# Altium PCB PCB_MAIN.PcbDoc (part 1 of 2) (continued)
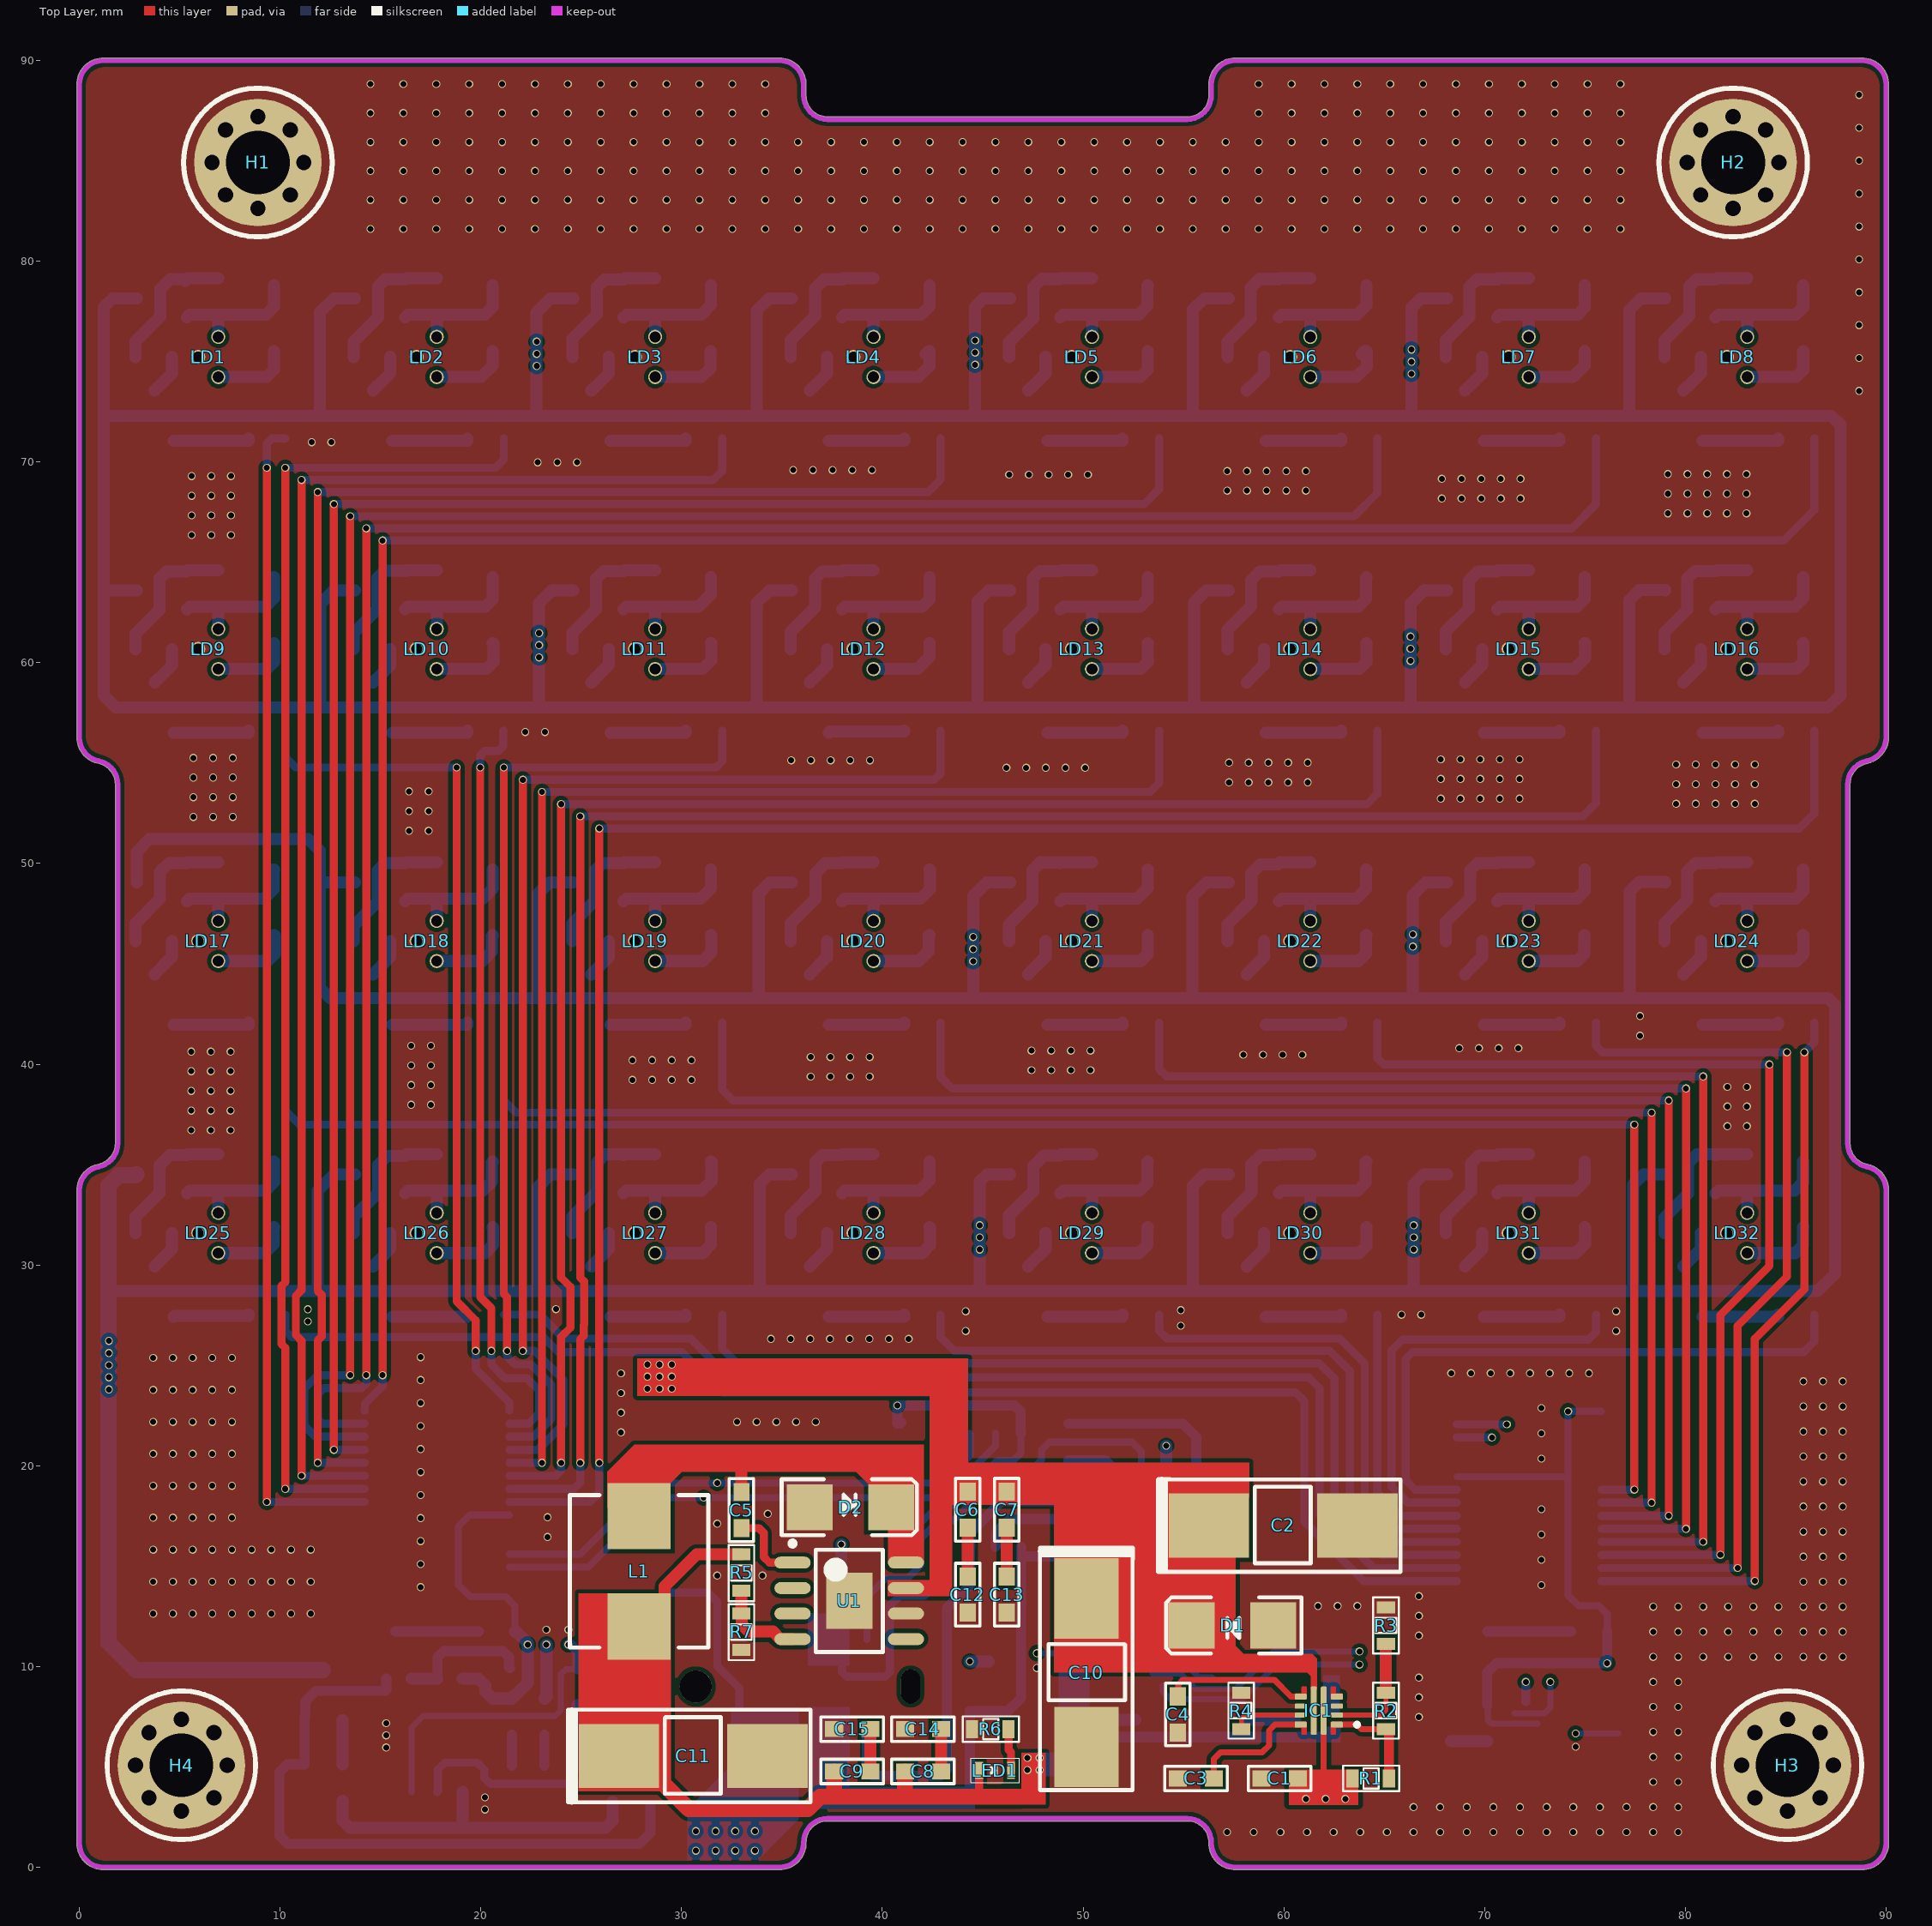
[diagram p0: Top Layer view]
## Components (designator, comment, footprint, x,y, rotation, side; value= is the part's Value field where it differs from the comment) (continued)
R36 "1K 1%" RES-SMD-0603 9.369,71.167 r180 bottom
R37 "1K 1%" RES-SMD-0603 20.25,71.167 r180 bottom
R38 "1K 1%" RES-SMD-0603 31.132,71.167 r180 bottom
R39 "1K 1%" RES-SMD-0603 42.013,71.167 r180 bottom
R40 "1K 1%" RES-SMD-0603 52.895,71.167 r180 bottom
R41 "1K 1%" RES-SMD-0603 63.776,71.167 r180 bottom
R42 "1K 1%" RES-SMD-0603 74.657,71.167 r180 bottom
R43 "1K 1%" RES-SMD-0603 85.539,71.167 r180 bottom
R44 "1K 1%" RES-SMD-0603 9.369,56.621 r180 bottom
R45 "10K 1%" RES-SMD-0603 17.8,49.139 r90 bottom
R46 "10K 1%" RES-SMD-0603 6.92,49.139 r90 bottom
R47 "10K 1%" RES-SMD-0603 83.08,63.685 r90 bottom
R48 "10K 1%" RES-SMD-0603 72.2,63.685 r90 bottom
R49 "10K 1%" RES-SMD-0603 61.32,63.685 r90 bottom
R50 "10K 1%" RES-SMD-0603 50.44,63.685 r90 bottom
R51 "10K 1%" RES-SMD-0603 39.56,63.685 r90 bottom
R52 "10K 1%" RES-SMD-0603 28.68,63.685 r90 bottom
R53 "10K 1%" RES-SMD-0603 17.8,63.685 r90 bottom
R54 "10K 1%" RES-SMD-0603 14.6,46.139 r180 bottom
R55 "10K 1%" RES-SMD-0603 3.72,46.139 r180 bottom
R56 "10K 1%" RES-SMD-0603 79.88,60.685 r180 bottom
R57 "10K 1%" RES-SMD-0603 69,60.685 r180 bottom
R58 "10K 1%" RES-SMD-0603 58.12,60.685 r180 bottom
R59 "10K 1%" RES-SMD-0603 47.24,60.685 r180 bottom
R60 "10K 1%" RES-SMD-0603 36.36,60.685 r180 bottom
R61 "10K 1%" RES-SMD-0603 25.48,60.685 r180 bottom
R62 "10K 1%" RES-SMD-0603 14.6,60.685 r180 bottom
R63 "1K 1%" RES-SMD-0603 20.25,42.074 r180 bottom
R64 "1K 1%" RES-SMD-0603 9.369,42.074 r180 bottom
R65 "1K 1%" RES-SMD-0603 85.539,56.621 r180 bottom
R66 "1K 1%" RES-SMD-0603 74.657,56.621 r180 bottom
R67 "1K 1%" RES-SMD-0603 63.776,56.621 r180 bottom
R68 "1K 1%" RES-SMD-0603 52.895,56.621 r180 bottom
R69 "1K 1%" RES-SMD-0603 42.013,56.621 r180 bottom
R70 "1K 1%" RES-SMD-0603 31.132,56.621 r180 bottom
R71 "1K 1%" RES-SMD-0603 20.25,56.621 r180 bottom
R72 "10K 1%" RES-SMD-0603 28.68,49.139 r90 bottom
R73 "10K 1%" RES-SMD-0603 39.56,49.139 r90 bottom
R74 "10K 1%" RES-SMD-0603 50.44,49.139 r90 bottom
R75 "10K 1%" RES-SMD-0603 61.32,49.139 r90 bottom
R76 "10K 1%" RES-SMD-0603 72.2,49.139 r90 bottom
R77 "10K 1%" RES-SMD-0603 83.08,49.139 r90 bottom
R78 "10K 1%" RES-SMD-0603 6.92,34.592 r90 bottom
R79 "10K 1%" RES-SMD-0603 17.8,34.592 r90 bottom
R80 "10K 1%" RES-SMD-0603 28.68,34.592 r90 bottom
R81 "10K 1%" RES-SMD-0603 25.48,46.139 r180 bottom
R82 "10K 1%" RES-SMD-0603 36.36,46.139 r180 bottom
R83 "10K 1%" RES-SMD-0603 47.24,46.139 r180 bottom
R84 "10K 1%" RES-SMD-0603 58.12,46.139 r180 bottom
R85 "10K 1%" RES-SMD-0603 69,46.139 r180 bottom
R86 "10K 1%" RES-SMD-0603 79.88,46.139 r180 bottom
R87 "10K 1%" RES-SMD-0603 3.72,31.592 r180 bottom
R88 "10K 1%" RES-SMD-0603 14.6,31.592 r180 bottom
R89 "10K 1%" RES-SMD-0603 25.48,31.592 r180 bottom
R90 "1K 1%" RES-SMD-0603 31.132,42.074 r180 bottom
R91 "1K 1%" RES-SMD-0603 42.013,42.074 r180 bottom
R92 "1K 1%" RES-SMD-0603 52.895,42.074 r180 bottom
R93 "1K 1%" RES-SMD-0603 63.776,42.074 r180 bottom
R94 "1K 1%" RES-SMD-0603 74.657,42.074 r180 bottom
R95 "1K 1%" RES-SMD-0603 85.539,42.074 r180 bottom
R96 "1K 1%" RES-SMD-0603 9.369,27.527 r180 bottom
R97 "1K 1%" RES-SMD-0603 20.25,27.527 r180 bottom
R98 "1K 1%" RES-SMD-0603 31.132,27.527 r180 bottom
R100 "10K 1%" RES-SMD-0603 83.08,34.592 r90 bottom
R101 "10K 1%" RES-SMD-0603 72.2,34.592 r90 bottom
R102 "10K 1%" RES-SMD-0603 61.32,34.592 r90 bottom
R103 "10K 1%" RES-SMD-0603 50.44,34.592 r90 bottom
R104 "10K 1%" RES-SMD-0603 39.56,34.592 r90 bottom
R106 "10K 1%" RES-SMD-0603 79.88,31.592 r180 bottom
R107 "10K 1%" RES-SMD-0603 69,31.592 r180 bottom
R108 "10K 1%" RES-SMD-0603 58.12,31.592 r180 bottom
R109 "10K 1%" RES-SMD-0603 47.24,31.592 r180 bottom
R110 "10K 1%" RES-SMD-0603 36.36,31.592 r180 bottom
R112 "1K 1%" RES-SMD-0603 85.539,27.527 r180 bottom
R113 "1K 1%" RES-SMD-0603 74.657,27.527 r180 bottom
R114 "1K 1%" RES-SMD-0603 63.776,27.527 r180 bottom
R115 "1K 1%" RES-SMD-0603 52.895,27.527 r180 bottom
R116 "1K 1%" RES-SMD-0603 42.013,27.527 r180 bottom
TVS1 "S2312" SOT23-123 27.5,9 r180 bottom
TVS2 "S2305" SOT23-123 45.3,9 r180 bottom
TVS3 "S2305" SOT23-123 52.89,18.814 r90 bottom
U1 "TPS5430DDAR" HSOP8 38.35,13.268 r0 top
U2 "MCP47CVB22-E/UN" MSOP10 51.8,10.16 r0 bottom
U3 "ADS1015BQDGSRQ1" TSSOP10 74.08,7.16 r180 bottom
U4 "MCP23017T-E/SS" SSOP28 17.818,18.52 r180 bottom
U5 "MCP23017T-E/SS" SSOP28 72.218,18.483 r0 bottom

## Footprints (in the part's own frame and the unit in brackets; to place one, negate y for a bottom-side part, rotate by r counter-clockwise, add the part's x,y. Pads: shape width x height; smd on the part's side, far side on the other; paste and mask are expansions set on the pad)
DIO-SMD-A [mil]
  rect 90x90.55 smd: 1(75,5) 2(-85,5)
  silkscreen extent -135,-50 130,60, body extent -104,-45 101,57, height 95
HSOP8 [mm] "SOIC, 8-Leads, Body 4.9x3.9mm, Pitch 1.27mm, IPC High Density"
  oval 1.8x0.6 smd: 1(-2.825,1.905) 2(-2.825,0.635) 3(-2.825,-0.635) 4(-2.825,-1.905) 5(2.825,-1.905) 6(2.825,-0.635) 7(2.825,0.635) 8(2.825,1.905)
  rect 2.3x2.8 smd: 9(0,0)
  silkscreen extent -2.95,-2.55 1.68,2.98, body extent -2.99,-2.45 3,2.45, height 1.6
LASER [mm]
  round 0.7 hole 0.55 mask+0.102: 1(0,-1) 3(0,1)
  round 0.7 hole 0.55: 2(-1,0)
  body extent -2.76,-2.78 2.8,2.77, height 3.7
M3 [mil]
  round 60 hole 30: 1(-90,0) 1(-63.64,-63.64) 1(-63.64,63.64) 1(0,-90) 1(0,90) 1(63.64,-63.64) 1(63.64,63.64) 1(90,0)
  round 250 hole 125.2: 1(0,0)
  silkscreen extent -146,-146 146,146
M55-6001242R [mm]
  rrect50% 0.8x2.6 smd: 1(-3.175,2.335) 2(-1.905,2.335) 3(-0.635,2.335) 4(0.635,2.335) 5(1.905,2.335) 6(3.175,2.335) 7(3.175,-2.335) 8(1.905,-2.335) 9(0.635,-2.335) 10(-0.635,-2.335) 11(-1.905,-2.335) 12(-3.175,-2.335)
  rrect50% 1.2x2.5 smd: ""(-5.67,-2.6) ""(-5.67,2.6) ""(5.67,-2.6) ""(5.67,2.6)
  oval 0.95x1.7 hole 0.95 slot 1.7 at 90 deg unplated mask+0.102: ""(-5.35,0)
  round 1.6 hole 1.6 unplated: ""(5.35,0)
  silkscreen extent -6.59,-4.05 6.61,4.05, body extent -6.35,-3.6 6.35,3.6, height 6.2
MSOP10 [mil]
  rect 55x11 smd: 1(-86,39.4) 2(-86,19.7) 3(-86,0) 4(-86,-19.7) 5(-86,-39.4) 6(86,-39.4) 7(86,-19.7) 8(86,0) 9(86,19.7) 10(86,39.4)
  silkscreen extent -66,-66 66,66, body extent -96,-59 96,59, height 43
REDLED_0603 [mm]
  rect 0.4x0.85 smd: 1(-0.8,0) 2(0.8,0)
  silkscreen extent -1.21,-0.6 1.21,0.61, body extent -0.8,-0.4 0.8,0.4, height 0.8
RES-SMD-0603 [mm]
  rect 0.6x0.9 smd: 1(-0.889,0) 2(0.927,0)
  silkscreen extent -1.4,-0.64 1.4,0.64, body extent -0.8,-0.4 0.8,0.4, height 0.43
SM-0603 [mm]
  rect 0.9x0.8 smd: 1(-0.9,0) 2(0.9,0)
  silkscreen extent -1.56,-0.61 1.56,0.61, body extent -0.81,-0.4 0.79,0.4, height 0.5
SO8 [mm] "SOIC, 8-Leads, Body 4.9x3.9mm, Pitch 1.27mm, IPC High Density"
  oval 1.8x0.6 smd: 1(-2.825,1.905) 2(-2.825,0.635) 3(-2.825,-0.635) 4(-2.825,-1.905) 5(2.825,-1.905) 6(2.825,-0.635) 7(2.825,0.635) 8(2.825,1.905)
  silkscreen extent -2.95,-2.55 1.68,2.98, body extent -2.99,-2.45 3,2.45, height 1.6
SOD23 [mm]
  rect 0.91x1.22 smd: 1(0.016,0) 2(3.286,0)
  silkscreen extent -0.76,-1.02 4.06,1.02, body extent -0.22,-0.85 3.53,0.85, height 1.2
SOT23-123 [mm] "SOT23, 1=bottom-left, 2=top, 3=bottom-right"
  rect 0.9x0.95 smd: 1(-0.95,-1.25) 2(0,1.25)
  rect 0.9x0.95 smd mask+0: 3(0.95,-1.25)
  silkscreen extent -1.3,-0.38 1.3,1.25, body extent -1.52,-1.23 1.48,1.27, height 1.06
SOT23-132 [mm]
  rect 0.9x0.95 smd: 1(-0.95,-1.25) 3(0,1.25)
  rect 0.9x0.95 smd mask+0: 2(0.95,-1.25)
  silkscreen extent -1.3,-0.38 1.3,1.25, body extent -1.52,-1.23 1.48,1.27, height 1.06
SRP7050TA [mm] "Precision Wire Wound Inductor, 2-Leads, Body 7.30x6.60mm, IPC Medium Density"
  rect 3.3x3.15 smd: 1(-2.75,0) 2(2.75,0)
  silkscreen extent -3.8,-3.45 3.8,3.45, body extent -3.6,-3.3 3.6,3.3, height 4.91
SSOP28 [mm]
  oval 1.85x0.38 smd: 1(-3.6,4.225) 2(-3.6,3.575) 3(-3.6,2.925) 4(-3.6,2.275) 5(-3.6,1.625) 6(-3.6,0.975) 7(-3.6,0.325) 8(-3.6,-0.325) 9(-3.6,-0.975) 10(-3.6,-1.625) 11(-3.6,-2.275) 12(-3.6,-2.925) 13(-3.6,-3.575) 14(-3.6,-4.225) 15(3.6,-4.225) 16(3.6,-3.575) 17(3.6,-2.925) 18(3.6,-2.275) 19(3.6,-1.625) 20(3.6,-0.975) 21(3.6,-0.325) 22(3.6,0.325) 23(3.6,0.975) 24(3.6,1.625) 25(3.6,2.275) 26(3.6,2.925) 27(3.6,3.575) 28(3.6,4.225)
  silkscreen extent -2.73,-5.16 2.73,5.13, body extent -3.88,-5.17 3.88,5.17, height 2.15
TPS259470 [mm]
  rrect37% 0.6x0.3 smd paste-1 mask+0: 1(-0.9,0.7) 4(-0.9,-0.7) 7(0.9,-0.7) 10(0.9,0.7)
  rrect37% 0.6x0.25 smd mask+0: 2(-0.9,0.225) 3(-0.9,-0.225) 8(0.9,-0.225) 9(0.9,0.225)
  rrect37% 0.3x2.4 smd paste-2 mask+0: 5(-0.25,0) 6(0.25,0)
  Top Layer region: 157 vertices and 0 holes, not listed, extent -1.2,-1.2 -0.6,-0.55
  Top Layer region: 157 vertices and 0 holes, not listed, extent -1.2,0.55 -0.6,1.2
  Top Layer region: 157 vertices and 0 holes, not listed, extent 0.6,0.55 1.2,1.2
  Top Layer region: 157 vertices and 0 holes, not listed, extent 0.6,-1.2 1.2,-0.55
  silkscreen extent -2,0.6 -1.8,0.8, body extent -1,-1 1,1, height 1
TSSOP8 [mm] "TSSOP, 8-Leads, Body 3.00x4.40mm, Pitch 0.65mm, IPC Medium Density"
  oval 1.45x0.35 smd: 1(-2.925,0.975) 2(-2.925,0.325) 3(-2.925,-0.325) 4(-2.925,-0.975) 5(2.925,-0.975) 6(2.925,-0.325) 7(2.925,0.325) 8(2.925,0.975)
  silkscreen extent -3.05,-1.5 1.8,1.87, body extent -3.2,-1.55 3.2,1.55, height 1.2
TSSOP10 [mm] "TSSOP, 10-Leads, Body 3x3mm, Pitch 0.5mm, IPC High Density"
  oval 1.45x0.25 smd: 1(-2.025,1) 2(-2.025,0.5) 3(-2.025,0) 4(-2.025,-0.5) 5(-2.025,-1) 6(2.025,-1) 7(2.025,-0.5) 8(2.025,0) 9(2.025,0.5) 10(2.025,1)
  silkscreen extent -2.15,-1.6 0.9,1.8, body extent -2.48,-1.55 2.48,1.55, height 1.1
"tu tantalum smd7343" [mm]
  rect 4x3.2 smd: 1(-3.7,0) 2(3.7,0)
  silkscreen extent -6.23,-2.31 5.85,2.31, body extent -3.75,-2.33 3.85,2.27, height 3.99

## Part data
C1 C3 C4 C5 C6 C7 C8 C9 C12 C13 C14 C15 C17 C19 C20 C21 C22 C23 C24 C25 C26 C27 C33 C34 C35 C36 C37 C38 C39: library part CM, "0603"
C2 C10: library part "Tu tantalum 100uF 25V SMD7343", "TAJD107K020RNJ", Chung_Loai=Dán, Don_Vi=Con, Ma_Hang=MH002347, So_Chan=2, Ten_Linh_Kien="Tụ tantalum 107E-100uF 25V SMD7343"
C11: library part "Tu tantalum 100uF 25V SMD7343", "TAJD477K006RNJ", Chung_Loai=Dán, Don_Vi=Con, Ma_Hang=MH002347, So_Chan=2, Ten_Linh_Kien="Tụ tantalum 107E-100uF 25V SMD7343"
C28: "WR-PHD 2.54 mm Dual Socket Header", Manufacturer="W¨¹rth Elektronik eiSos GmbH", partNo=61301221821, ComponentLink1 Description=Manufacturer, ComponentLink1URL=http://www.we-online.com, ComponentLink2 Description=Datasheet, ComponentLink2URL=http://katalog.we-online.de/em/datasheet/6130xx21821.pdf, Created by="Karrer Zheng", Created Date="29 March 2013", NoPins=12
D1 D2: library part "Diode SMD", "DIODE SCHOTTKY 40V 5A SMA", Code - JEDEC=DO-214-AB, Published=8-Jun-2000, Publisher="Altium Limited", Revision="July-2002: Re-released for DXP Platform."
DIO1 DIO2 DIO3 DIO4 DIO5 DIO6 DIO7 DIO8 DIO9 DIO10 DIO11 DIO12 DIO13 DIO14 DIO15 DIO16 DIO17 DIO18 DIO19 DIO20 DIO21 DIO22 DIO23 DIO24 DIO25 DIO26 DIO27 DIO28 DIO29 DIO30 DIO31 DIO32: "Default Diode", Code - JEDEC=DO-214-AB, Published=8-Jun-2000, Publisher="Altium Limited", Revision="July-2002: Re-released for DXP Platform."
IC1: library part TPS259470, "P/N: TPS259470LRPWR"
IC2: library part PCA9536
IC3: library part ADUM1250
IC4: library part LM358, "8SOIC"
L1: library part INDUCTOR, "SRP7050TA-150M"
LD1 LD2 LD3 LD4 LD5 LD6 LD7 LD8 LD9 LD10 LD11 LD12 LD13 LD14 LD15 LD16 LD17 LD18 LD19 LD20 LD21 LD22 LD23 LD24 LD25 LD26 LD27 LD28 LD29 LD30 LD31 LD32: library part LD
LED1: library part "LED SMD"
Q1: library part FET-N
Q2 Q3 Q4 Q5 Q6 Q7 Q8 Q9 Q10 Q20 Q21 Q22 Q23 Q24 Q25 Q26 Q27 Q28 Q38 Q39 Q40 Q41 Q42 Q43 Q44 Q45 Q46 Q57 Q58 Q59 Q60 Q61: library part FET-P
Q11 Q12 Q13 Q14 Q15 Q16 Q17 Q18 Q19 Q29 Q30 Q31 Q32 Q33 Q34 Q35 Q36 Q37 Q47 Q48 Q49 Q50 Q51 Q52 Q53 Q54 Q55 Q63 Q64 Q65 Q66 Q67: library part 2SC1815, "SOT23-3"
R1 R2 R3 R4 R5 R6 R8 R9 R10 R11 R14 R15 R16 R17 R18 R19 R20 R21 R22 R23 R24 R25 R26 R27 R28 R29 R30 R31 R32 R33 R34 R35 R36 R37 R38 R39 R40 R41 R42 R43 R44 R45 R46 R47 R48 R49 R50 R51 R52 R53 R54 R55 R56 R57 R58 R59 R60 R61 R62 R63 R64 R65 R66 R67 R68 R69 R70 R71 R72 R73 R74 R75 R76 R77 R78 R79 R80 R81 R82 R83 R84 R85 R86 R87 R88 R89 R90 R91 R92 R93 R94 R95 R96 R97 R98 R100 R101 R102 R103 R104 R106 R107 R108 R109 R110 R112 R113 R114 R115 R116: library part Res-SMD, "0603", Manufacturer="Generic Components", Class=Passive, Published=08/06/2000, Publisher="Altium Hobart Technology Centre"
R7: library part Res-SMD, "ERA-3AEB3241V", Manufacturer="Generic Components", Class=Passive, Published=08/06/2000, Publisher="Altium Hobart Technology Centre"
TVS1: library part S2315, "TVS DIODE 12VWM 19VC SOT23, P/N:  S2312"
TVS2 TVS3: library part S2303, "TVS DIODE 5VWM 10.8VC SOT23, P/N:   / S2305"
U1: library part TPS543X, "8SOP"
U2: library part MCP47CVB22
U3: library part ADS1015
U4 U5: library part MCP23017

## Via types
v1: diameter 0.4, hole 0.3, Top Layer to Bottom Layer, tented both sides, 743 vias
v2: diameter 0.4, hole 0.3, Top Layer to Bottom Layer, 18 vias

## Nets (pads, with @x,y where several pads share a name; then routed paths per layer and width w, separated by ;. In a path a pad name is that pad's centre, name@x,y a point inside that pad or via, vN(x,y) a via of type N, cw(c..) or ccw(c..) an arc to the next point about the centre after c; other vN are vias at no path point)
+5: C8.1 C9.1 C11.1 C17.2 C20.2 C22.2 C24.2 C25.2 C33.2 IC2.8 IC3.8 IC4.8 L1.2 LED1.1 R5.2 R10.2 R11.2 U2.1 U2.2 U2.3 U3.8 U4.9 U5.9 U5.15 | length 196.1
  Top Layer w0.4: 44.65,3.51 44.812,3.672 LED1.1@44.812,4.821
  Top Layer w0.6: L1.2@27.88,11.988 27.88,12.258 29.155,13.533 29.155,13.985 30.749,15.579 R5.2@32.98,15.579
  Top Layer w0.8: C11.1@26.88,5.54 28.03,4.39 28.86,4.39 30.36,2.89 36.27,2.89 36.89,3.51 37.48,3.51 ; C9.1@37.6,4.77 37.6,3.63 37.48,3.51 ; C8.1@41.126,4.77 41.126,3.544 41.16,3.51 ; 46.91,3.51 44.65,3.51 41.16,3.51 ; 37.48,3.51 41.16,3.51
  Layer 2 w0.6: 22.33,5.31 22.33,12.55 23.09,13.31 39.5,13.31 40.75,14.56 v1(40.75,23) ; 22.62,5.44 v1(47.23,5.44) ; v1(76.106,10.16) 76.106,5.636 75.305,4.835 v1(47.835,4.835) ; v1(47.23,5.44) v1(47.835,4.835) ; v1(47.23,5.44) v1(47.835,5.44) v1(47.835,4.835) ; v1(47.23,5.44) v1(47.23,4.835) v1(47.835,4.835)
  Bottom Layer w0.3: C22.2@70.13,8.073 70.152,8.051 70.152,7.348 70.34,7.16 U3.8@72.63,7.16
  Bottom Layer w0.35: U4.9@21.418,17.545 19.455,17.545 18.88,16.97 18.88,14.07 19.48,13.47 21.24,13.47 21.7,13.01 21.7,11.746 C24.2@21.706,11.74 ; R10.2@40.901,15.584 40.801,15.484 R10.2@40.75,15.484 40.75,15.98 42.59,17.82 43.28,17.82 45.72,20.26 46.54,20.26 46.905,20.625 IC3.8@46.905,21.615 ; U5.9@68.618,19.458 74.16,19.458 ; U5.15@75.818,22.708 v1(74.16,22.708) 74.16,19.458 ; C25.2@76.106,11.74 76.106,12.614 75.7,13.02 74.68,13.02 74.16,13.54 74.16,19.458
  Bottom Layer w0.4: IC3.8@46.867,21.577 IC3.8@46.905,21.615
  Bottom Layer w0.5: R11.2@40.95,22.146 40.9,22.096 R11.2@40.75,22.096 v1(40.75,23) 46.593,23 46.886,22.707 46.886,21.634 IC3.8@46.905,21.615 ; C22.2@70.13,8.073 70.13,9.7 70.59,10.16 v1(76.106,10.16) C25.2@76.106,11.74
  Bottom Layer w0.6: IC4.8@19.095,9.395 19.879,9.395 20.23,9.044 20.23,8.751 20.581,8.4 C33.2@21.55,8.4 ; C33.2@21.55,8.4 21.55,8.45 21.65,8.55 21.7,8.55 22.33,9.18 22.33,11.166 21.75,11.746 C24.2@21.7,11.746 ; C24.2@21.706,11.74 C24.2@21.735,11.711
  other v2: 22.33,11.09
+12: C2.1 C6.1 C7.1 C10.1 D1.2 DIO1.2 DIO2.2 DIO3.2 DIO4.2 DIO5.2 DIO6.2 DIO7.2 DIO8.2 DIO9.2 DIO10.2 DIO11.2 DIO12.2 DIO13.2 DIO14.2 DIO15.2 DIO16.2 DIO17.2 DIO18.2 DIO19.2 DIO20.2 DIO21.2 DIO22.2 DIO23.2 DIO24.2 DIO25.2 DIO26.2 DIO27.2 DIO28.2 DIO29.2 DIO30.2 DIO31.2 DIO32.2 IC1.6 LD1.1 LD2.1 LD3.1 LD4.1 LD5.1 LD6.1 LD7.1 LD8.1 LD9.1 LD10.1 LD11.1 LD12.1 LD13.1 LD14.1 LD15.1 LD16.1 LD17.1 LD18.1 LD19.1 LD20.1 LD21.1 LD22.1 LD23.1 LD24.1 LD25.1 LD26.1 LD27.1 LD28.1 LD29.1 LD30.1 LD31.1 LD32.1 U1.7 | length 462.9
  Layer 2 w0.8: LD25.1@6.92,30.592 8.112,29.4 17.82,29.4 ; LD17.1@6.92,45.139 8.319,43.74 17.86,43.74 ; LD9.1@6.92,59.685 8.175,58.43 17.82,58.43 ; LD1.1@6.92,74.232 8.112,73.04 17.78,73.04 ; LD26.1@17.8,30.592 17.8,29.42 17.82,29.4 ; LD18.1@17.8,45.139 17.8,43.8 17.86,43.74 ; LD10.1@17.8,59.685 17.8,58.45 17.82,58.43 ; LD2.1@17.8,74.232 17.8,73.06 17.78,73.04 ; LD27.1@28.68,30.592 28.68,29.4 ; LD19.1@28.68,45.139 28.68,43.78 28.64,43.74 ; LD11.1@28.68,59.685 28.68,58.45 28.66,58.43 ; LD3.1@28.68,74.232 28.68,73.04 ; LD28.1@39.56,30.592 39.56,29.42 39.54,29.4 ; LD20.1@39.56,45.139 39.56,43.79 39.61,43.74 ; LD12.1@39.56,59.685 39.56,58.57 39.42,58.43 ; LD4.1@39.56,74.232 39.56,73.04 ; LD29.1@50.44,30.592 50.44,29.42 50.46,29.4 ; LD21.1@50.44,45.139 50.44,43.78 50.4,43.74 ; LD13.1@50.44,59.685 50.44,58.43 ; LD5.1@50.44,74.232 50.421,74.213 50.421,73.091 50.37,73.04 ; LD30.1@61.32,30.592 61.32,29.4 ; LD22.1@61.32,45.139 61.32,43.78 61.28,43.74 ; LD14.1@61.32,59.685 61.32,58.52 61.23,58.43 ; LD6.1@61.32,74.232 61.301,74.213 61.301,73.051 61.29,73.04 ; LD31.1@72.2,30.592 72.2,29.4 ; LD23.1@72.2,45.139 72.2,43.76 72.22,43.74 ; LD15.1@72.2,59.685 72.2,58.45 72.18,58.43 ; LD7.1@72.2,74.232 72.2,73.04 ; LD32.1@83.08,30.592 81.888,29.4 72.2,29.4 ; LD24.1@83.08,45.139 81.681,43.74 72.22,43.74 ; LD16.1@83.08,59.685 81.825,58.43 72.18,58.43 ; LD8.1@83.08,74.232 81.888,73.04 72.2,73.04 ; 17.78,73.04 28.68,73.04 ; 17.82,29.4 28.68,29.4 ; 17.82,58.43 28.66,58.43 ; 17.86,43.74 28.64,43.74 ; 28.64,43.74 39.61,43.74 ; 28.66,58.43 39.42,58.43 ; 28.68,29.4 39.54,29.4 ; 28.68,73.04 39.56,73.04 ; 39.42,58.43 50.44,58.43 ; 39.54,29.4 50.46,29.4 ; 39.56,73.04 50.37,73.04 ; 39.61,43.74 50.4,43.74 ; 50.37,73.04 61.29,73.04 ; 50.4,43.74 61.28,43.74 ; 50.44,58.43 61.23,58.43 ; 50.46,29.4 61.32,29.4 ; 61.23,58.43 72.18,58.43 ; 61.28,43.74 72.22,43.74 ; 61.29,73.04 72.2,73.04 ; 61.32,29.4 72.2,29.4
  Bottom Layer w0.6: LD25.1@6.92,30.592 9.232,30.592 9.67,31.03 9.67,31.861 DIO25.2@9.7,31.891 ; LD17.1@6.92,45.139 9.369,45.139 9.73,45.5 9.73,46.408 DIO11.2@9.7,46.438 ; LD9.1@6.92,59.685 9.349,59.685 9.7,60.037 DIO9.2@9.7,60.984 ; LD1.1@6.92,74.232 9.331,74.232 9.7,74.601 DIO1.2@9.7,75.531 ; LD26.1@17.8,30.592 20.202,30.592 20.61,31 20.61,31.862 DIO26.2@20.581,31.891 ; LD18.1@17.8,45.139 20.069,45.139 20.54,45.61 20.54,46.396 DIO10.2@20.581,46.438 ; LD10.1@17.8,59.685 20.269,59.685 20.62,60.037 20.62,60.946 DIO18.2@20.581,60.984 ; LD2.1@17.8,74.232 20.012,74.232 20.58,74.8 20.58,75.529 DIO2.2@20.581,75.531 ; LD27.1@28.68,30.592 31.052,30.592 31.463,31.003 DIO27.2@31.463,31.891 ; LD19.1@28.68,45.139 31.059,45.139 31.47,45.55 31.47,46.43 DIO19.2@31.463,46.438 ; LD11.1@28.68,59.685 31.045,59.685 31.48,60.12 31.48,60.967 DIO17.2@31.463,60.984 ; LD3.1@28.68,74.232 30.992,74.232 31.43,74.67 31.43,75.498 DIO3.2@31.463,75.531 ; LD28.1@39.56,30.592 41.982,30.592 42.37,30.98 42.37,31.865 DIO32.2@42.344,31.891 ; LD20.1@39.56,45.139 41.819,45.139 42.31,45.63 42.31,46.403 DIO20.2@42.344,46.438 ; LD12.1@39.56,59.685 41.744,59.685 42.36,60.301 42.36,60.969 DIO16.2@42.344,60.984 ; LD4.1@39.56,74.232 41.802,74.232 42.344,74.774 DIO4.2@42.344,75.531 42.309,75.531 DIO4.2@42.154,75.376 ; LD29.1@50.44,30.592 52.792,30.592 53.2,31 53.2,31.865 DIO31.2@53.226,31.891 ; LD21.1@50.44,45.139 52.869,45.139 53.23,45.5 53.23,46.433 DIO21.2@53.226,46.438 ; LD13.1@50.44,59.685 52.874,59.685 53.226,60.037 DIO15.2@53.226,60.984 ; LD5.1@50.44,74.232 52.852,74.232 53.23,74.61 53.23,75.527 DIO5.2@53.226,75.531 ; LD30.1@61.32,30.592 63.756,30.592 64.107,30.944 DIO30.2@64.107,31.891 ; LD22.1@61.32,45.139 63.719,45.139 64.1,45.52 64.1,46.43 DIO22.2@64.107,46.438 ; LD14.1@61.32,59.685 63.765,59.685 64.12,60.04 64.12,60.971 DIO14.2@64.107,60.984 ; LD6.1@61.32,74.232 63.602,74.232 64.13,74.76 64.13,75.508 DIO6.2@64.107,75.531 64.035,75.531 DIO6.2@63.88,75.376 ; LD31.1@72.2,30.592 74.542,30.592 75.01,31.06 75.01,31.869 DIO29.2@74.989,31.891 ; LD23.1@72.2,45.139 74.619,45.139 74.97,45.49 74.97,46.419 DIO23.2@74.989,46.438 ; LD15.1@72.2,59.685 74.465,59.685 75,60.22 75,60.973 DIO13.2@74.989,60.984 ; LD7.1@72.2,74.232 74.399,74.232 74.989,74.821 DIO7.2@74.989,75.531 ; LD32.1@83.08,30.592 85.472,30.592 85.86,30.98 85.86,31.881 DIO28.2@85.87,31.891 ; LD24.1@83.08,45.139 85.539,45.139 85.89,45.49 85.89,46.418 DIO24.2@85.87,46.438 ; LD16.1@83.08,59.685 85.529,59.685 85.88,60.037 85.88,60.974 DIO12.2@85.87,60.984 ; LD8.1@83.08,74.232 85.512,74.232 85.87,74.59 DIO8.2@85.87,75.531
  other v1: 28.295,23.83 28.9,23.83 29.505,23.83 28.295,24.435 28.9,24.435 29.505,24.435 28.295,25.04 28.9,25.04 29.505,25.04
+12_AUX: C1.2 C28.7 C28.8 C28.9 IC1.5 R1.2 TVS1.1 TVS1.3 | length 24.1
  Top Layer w0.3: IC1.5@61.99,7.8 61.99,4.485 62.055,4.42
  Top Layer w0.5: C1.2@60.69,4.419 62.055,4.42 R1.2@63.421,4.42
  Bottom Layer w0.4: TVS1.3@26.55,7.75 TVS1.1@28.45,7.75 28.45,12.95 29.17,13.67 31.33,13.67 31.78,13.22 31.78,10.009 32.879,8.91 C28.7@32.879,6.665
  other v1: 30.71,0.82 31.69,0.82 32.67,0.82 33.65,0.82 30.71,1.8 31.69,1.8 32.67,1.8 33.65,1.8 61.1,3.4 62.08,3.4 63.06,3.4
CURRENT_MONITOR: C38.2 R16.2 U3.4 | length 60
  Layer 2 w0.6: v2(23.266,11.09) 23.266,7.614 24.181,6.699 v2@74.501,6.699
  Bottom Layer w0.3: v2(74.54,6.66) U3.4@76.105,6.66 U3.4@76.68,6.66
  Bottom Layer w0.6: C38.2@23.166,8.4 23.266,8.5 R16.2@23.266,9.92 v2(23.266,11.09)
DAC: C34.2 IC4.3 U2.4 | length 41.2
  Layer 2 w0.5: v2(24.36,11.09) 47.27,11.09 v2(47.7,10.66)
  Bottom Layer w0.3: IC4.3@16.555,3.745 16.555,6.955 17.13,7.53 23.7,7.53 23.99,7.82 23.99,9.62 24.24,9.87 24.793,9.87 C34.2@24.805,9.882 ; v2(47.7,10.66) U2.4@49.616,10.66 U2.4@50.17,10.66
  Bottom Layer w0.5: v2(24.36,11.09) 24.477,11.09 24.805,10.762 24.805,9.882 C34.2@24.82,9.867
GND_AUX: C1.1 C2.2 C3.1 C4.1 C10.2 C11.2 C12.2 C13.2 C14.2 C15.2 C19.1 C21.1 C23.1 C26.1 C27.1 C28.4 C28.5 C28.6 C35.1 C36.1 C39.1 D1.1 D2.1 H1.1 H2.1 H3.1 H4.1 IC1.8 IC2.4 IC3.5 IC4.4 LD1.2 LD2.2 LD3.2 LD4.2 LD5.2 LD6.2 LD7.2 LD8.2 LD9.2 LD10.2 LD11.2 LD12.2 LD13.2 LD14.2 LD15.2 LD16.2 LD17.2 LD18.2 LD19.2 LD20.2 LD21.2 LD22.2 LD23.2 LD24.2 LD25.2 LD26.2 LD27.2 LD28.2 LD29.2 LD30.2 LD31.2 LD32.2 Q11.2 Q12.2 Q13.2 Q14.2 Q15.2 Q16.2 Q17.2 Q18.2 Q19.2 Q29.2 Q30.2 Q31.2 Q32.2 Q33.2 Q34.2 Q35.2 Q36.2 Q37.2 Q47.2 Q48.2 Q49.2 Q50.2 Q51.2 Q52.2 Q53.2 Q54.2 Q55.2 Q63.2 Q64.2 Q65.2 Q66.2 Q67.2 R3.1 R4.1 R6.2 R7.1 R17.1 TVS1.2 U1.6 U1.9 U2.7 U2.8 U3.1 U3.3 U4.10 U4.15 U4.16 U4.17 U5.10 U5.16 U5.17
  other v1: 57.173,1.749 58.499,1.749 59.826,1.749 61.152,1.749 62.479,1.749 63.805,1.749 65.132,1.749 66.458,1.749 67.785,1.749 69.111,1.749 70.438,1.749 71.764,1.749 73.091,1.749 74.417,1.749 75.743,1.749 77.07,1.749 78.396,1.749 79.644,1.749 20.2,2.875 66.458,2.996 67.785,2.996 69.111,2.996 70.438,2.996 71.764,2.996 73.091,2.996 74.417,2.996 75.743,2.996 77.07,2.996 78.396,2.996 79.644,2.996 20.2,3.48 78.396,4.244 79.644,4.244 78.396,5.491 79.644,5.491 15.285,5.965 15.285,6.57 78.396,6.738 79.644,6.738 15.285,7.175 66.73,7.48 78.396,7.985 79.644,7.985 66.73,8.46 78.396,9.233 79.644,9.233 66.73,9.44 78.396,10.48 79.644,10.48 80.891,10.48 82.138,10.48 83.385,10.48 84.633,10.48 85.88,10.48 86.86,10.48 87.84,10.48 66.73,11.54 78.396,11.727 79.644,11.727 80.891,11.727 82.138,11.727 83.385,11.727 84.633,11.727 85.88,11.727 86.86,11.727 87.84,11.727 66.73,12.52 3.68,12.63 4.66,12.63 5.64,12.63 6.62,12.63 7.6,12.63 8.58,12.63 9.56,12.63 10.54,12.63 11.52,12.63 78.396,12.975 79.644,12.975 80.891,12.975 82.138,12.975 83.385,12.975 84.633,12.975 85.88,12.975 86.86,12.975 87.84,12.975 61.7,13.01 62.68,13.01 63.66,13.01 66.73,13.5 17,13.95 72.83,14.05 3.68,14.223 4.66,14.223 5.64,14.223 6.62,14.223 7.6,14.223 8.58,14.223 9.56,14.223 10.54,14.223 11.52,14.223 85.88,14.222 86.86,14.222 87.84,14.222 31.77,14.53 34.03,14.53 17,15.096 72.83,15.31 85.88,15.469 86.86,15.469 87.84,15.469 3.68,15.815 4.66,15.815 5.64,15.815 6.62,15.815 7.6,15.815 8.58,15.815 9.56,15.815 10.54,15.815 11.52,15.815 17,16.242 23.32,16.45 72.83,16.57 85.88,16.716 86.86,16.716 87.84,16.716 31.77,17.11 3.68,17.408 4.66,17.408 5.64,17.408 6.62,17.408 7.6,17.408 17,17.388 23.32,17.43 34.29,17.6 72.83,17.83 85.88,17.964 86.86,17.964 87.84,17.964 17,18.534 3.68,19 4.66,19 5.64,19 6.62,19 7.6,19 85.88,19.211 86.86,19.211 87.84,19.211 17,19.68 72.83,20.35 85.88,20.458 86.86,20.458 87.84,20.458 3.68,20.593 4.66,20.593 5.64,20.593 6.62,20.593 7.6,20.593 17,20.826 72.83,21.61 26.98,21.66 85.88,21.705 86.86,21.705 87.84,21.705 17,21.972 3.68,22.185 4.66,22.185 5.64,22.185 6.62,22.185 7.6,22.185 32.76,22.18 33.74,22.18 34.72,22.18 35.7,22.18 36.68,22.18 26.98,22.64 72.83,22.87 85.88,22.953 86.86,22.953 87.84,22.953 17,23.118 26.98,23.62 3.68,23.777 4.66,23.777 5.64,23.777 6.62,23.777 7.6,23.777 85.88,24.2 86.86,24.2 87.84,24.2 17,24.264 26.98,24.6 68.34,24.61 69.32,24.61 70.3,24.61 71.28,24.61 72.26,24.61 73.24,24.61 74.22,24.61 75.2,24.61 3.68,25.37 4.66,25.37 5.64,25.37 6.62,25.37 7.6,25.37 17,25.41 34.45,26.32 35.43,26.32 36.41,26.32 37.39,26.32 38.37,26.32 39.35,26.32 40.33,26.32 41.31,26.32 44.15,26.71 76.55,26.71 54.87,26.97 11.38,27.185 65.86,27.52 66.84,27.52 44.15,27.69 76.55,27.69 54.87,27.75 11.38,27.79 23.74,27.8 5.57,36.71 6.55,36.71 7.53,36.71 82.09,36.91 83.07,36.91 5.57,37.69 6.55,37.69 7.53,37.69 82.09,37.89 83.07,37.89 16.53,37.98 17.51,37.98 5.57,38.67 6.55,38.67 7.53,38.67 82.09,38.87 83.07,38.87 16.53,38.96 17.51,38.96 27.55,39.22 28.53,39.22 29.51,39.22 30.49,39.22 36.43,39.38 37.41,39.38 38.39,39.38 39.37,39.38 5.57,39.65 6.55,39.65 7.53,39.65 47.43,39.7 48.41,39.7 49.39,39.7 50.37,39.7 16.53,39.94 17.51,39.94 27.55,40.2 28.53,40.2 29.51,40.2 30.49,40.2 36.43,40.36 37.41,40.36 38.39,40.36 39.37,40.36 57.98,40.47 58.96,40.47 59.94,40.47 60.92,40.47 5.57,40.63 6.55,40.63 7.53,40.63 47.43,40.68 48.41,40.68 49.39,40.68 50.37,40.68 68.74,40.8 69.72,40.8 70.7,40.8 71.68,40.8 16.53,40.92 17.51,40.92 77.74,41.42 77.74,42.4 16.42,51.63 17.4,51.63 5.68,52.32 6.66,52.32 7.64,52.32 16.42,52.61 17.4,52.61 79.54,52.97 80.52,52.97 81.5,52.97 82.48,52.97 83.46,52.97 67.82,53.23 68.8,53.23 69.78,53.23 70.76,53.23 71.74,53.23 5.68,53.3 6.66,53.3 7.64,53.3 16.42,53.59 17.4,53.59 79.54,53.95 80.52,53.95 81.5,53.95 82.48,53.95 83.46,53.95 57.27,54.04 58.25,54.04 59.23,54.04 60.21,54.04 61.19,54.04 67.82,54.21 68.8,54.21 69.78,54.21 70.76,54.21 71.74,54.21 5.68,54.28 6.66,54.28 7.64,54.28 46.18,54.77 47.16,54.77 48.14,54.77 49.12,54.77 50.1,54.77 79.54,54.93 80.52,54.93 81.5,54.93 82.48,54.93 83.46,54.93 57.27,55.02 58.25,55.02 59.23,55.02 60.21,55.02 61.19,55.02 35.46,55.14 36.44,55.14 37.42,55.14 38.4,55.14 39.38,55.14 67.82,55.19 68.8,55.19 69.78,55.19 70.76,55.19 71.74,55.19 5.68,55.26 6.66,55.26 7.64,55.26 22.21,56.55 23.19,56.55 5.59,66.36 6.57,66.36 7.55,66.36 5.59,67.34 6.57,67.34 7.55,67.34 79.13,67.44 80.11,67.44 81.09,67.44 82.07,67.44 83.05,67.44 67.87,68.18 68.85,68.18 69.83,68.18 70.81,68.18 71.79,68.18 5.59,68.32 6.57,68.32 7.55,68.32 79.13,68.42 80.11,68.42 81.09,68.42 82.07,68.42 83.05,68.42 57.18,68.57 58.16,68.57 59.14,68.57 60.12,68.57 61.1,68.57 67.87,69.16 68.85,69.16 69.83,69.16 70.81,69.16 71.79,69.16 5.59,69.3 6.57,69.3 7.55,69.3 46.32,69.37 47.3,69.37 48.28,69.37 49.26,69.37 50.24,69.37 79.13,69.4 80.11,69.4 81.09,69.4 82.07,69.4 83.05,69.4 57.18,69.55 58.16,69.55 59.14,69.55 60.12,69.55 61.1,69.55 35.56,69.6 36.54,69.6 37.52,69.6 38.5,69.6 39.48,69.6 22.83,69.98 23.81,69.98 24.79,69.98 11.57,70.99 12.55,70.99 88.66,73.539 88.66,75.177 88.66,76.816 88.66,78.455 88.66,80.093 14.5,81.61 16.139,81.61 17.777,81.61 19.416,81.61 21.055,81.61 22.693,81.61 24.332,81.61 25.971,81.61 27.609,81.61 29.248,81.61 30.887,81.61 32.526,81.61 34.164,81.61 35.803,81.61 37.442,81.61 39.08,81.61 40.719,81.61 42.358,81.61 43.996,81.61 45.635,81.61 47.274,81.61 48.912,81.61 50.551,81.61 52.19,81.61 53.828,81.61 55.467,81.61 57.106,81.61 58.744,81.61 60.383,81.61 62.022,81.61 63.661,81.61 65.299,81.61 66.938,81.61 68.577,81.61 70.215,81.61 71.854,81.61 73.493,81.61 75.131,81.61 76.77,81.61 88.66,81.732 14.5,83.053 16.139,83.053 17.777,83.053 19.416,83.053 21.055,83.053 22.693,83.053 24.332,83.053 25.971,83.053 27.609,83.053 29.248,83.053 30.887,83.053 32.526,83.053 34.164,83.053 35.803,83.053 37.442,83.053 39.08,83.053 40.719,83.053 42.358,83.053 43.996,83.053 45.635,83.053 47.274,83.053 48.912,83.053 50.551,83.053 52.19,83.053 53.828,83.053 55.467,83.053 57.106,83.053 58.744,83.053 60.383,83.053 62.022,83.053 63.661,83.053 65.299,83.053 66.938,83.053 68.577,83.053 70.215,83.053 71.854,83.053 73.493,83.053 75.131,83.053 76.77,83.053 88.66,83.371 14.5,84.497 16.139,84.497 17.777,84.497 19.416,84.497 21.055,84.497 22.693,84.497 24.332,84.497 25.971,84.497 27.609,84.497 29.248,84.497 30.887,84.497 32.526,84.497 34.164,84.497 35.803,84.497 37.442,84.497 39.08,84.497 40.719,84.497 42.358,84.497 43.996,84.497 45.635,84.497 47.274,84.497 48.912,84.497 50.551,84.497 52.19,84.497 53.828,84.497 55.467,84.497 57.106,84.497 58.744,84.497 60.383,84.497 62.022,84.497 63.661,84.497 65.299,84.497 66.938,84.497 68.577,84.497 70.215,84.497 71.854,84.497 73.493,84.497 75.131,84.497 76.77,84.497 88.66,85.009 14.5,85.94 16.139,85.94 17.777,85.94 19.416,85.94 21.055,85.94 22.693,85.94 24.332,85.94 25.971,85.94 27.609,85.94 29.248,85.94 30.887,85.94 32.526,85.94 34.164,85.94 35.803,85.94 37.442,85.94 39.08,85.94 40.719,85.94 42.358,85.94 43.996,85.94 45.635,85.94 47.274,85.94 48.912,85.94 50.551,85.94 52.19,85.94 53.828,85.94 55.467,85.94 57.106,85.94 58.744,85.94 60.383,85.94 62.022,85.94 63.661,85.94 65.299,85.94 66.938,85.94 68.577,85.94 70.215,85.94 71.854,85.94 73.493,85.94 75.131,85.94 76.77,85.94 88.66,86.648 14.5,87.383 16.139,87.383 17.777,87.383 19.416,87.383 21.055,87.383 22.693,87.383 24.332,87.383 25.971,87.383 27.609,87.383 29.248,87.383 30.887,87.383 32.526,87.383 34.164,87.383 58.744,87.383 60.383,87.383 62.022,87.383 63.661,87.383 65.299,87.383 66.938,87.383 68.577,87.383 70.215,87.383 71.854,87.383 73.493,87.383 75.131,87.383 76.77,87.383 88.66,88.287 14.5,88.827 16.139,88.827 17.777,88.827 19.416,88.827 21.055,88.827 22.693,88.827 24.332,88.827 25.971,88.827 27.609,88.827 29.248,88.827 30.887,88.827 32.526,88.827 34.164,88.827 58.744,88.827 60.383,88.827 62.022,88.827 63.661,88.827 65.299,88.827 66.938,88.827 68.577,88.827 70.215,88.827 71.854,88.827 73.493,88.827 75.131,88.827 76.77,88.827
  other v2: 74.54,6 47.7,9.92 23.266,11.83 24.36,11.83
GND_BUS: C28.2 C28.3 IC3.4 TVS2.2 TVS3.2 | length 68.5
  Layer 2 w0.6: v2(37.959,16.08) 37.959,23.319 38.69,24.05 53.47,24.05 54.14,23.38 v2(54.14,20.99) 54.14,9.62 53.42,8.9 47.46,8.9 46.11,10.25 v2(44.36,10.25)
  Bottom Layer w0.4: C28.2@37.959,11.335 37.98,11.315 37.98,9.724 38.214,9.49 40.136,9.49 40.37,9.724 40.37,13.02 40.88,13.53 42.09,13.53 43.095,14.535 IC3.4@43.095,15.965
  Bottom Layer w0.6: C28.2@37.959,11.335 v2(37.959,16.08) ; v2(44.36,10.25) TVS2.2@45.3,10.25 ; TVS3.2@54.14,18.814 v2(54.14,20.99)